# KiCad board d20_tri_r0.3_4x1.kicad_pcb (continued)
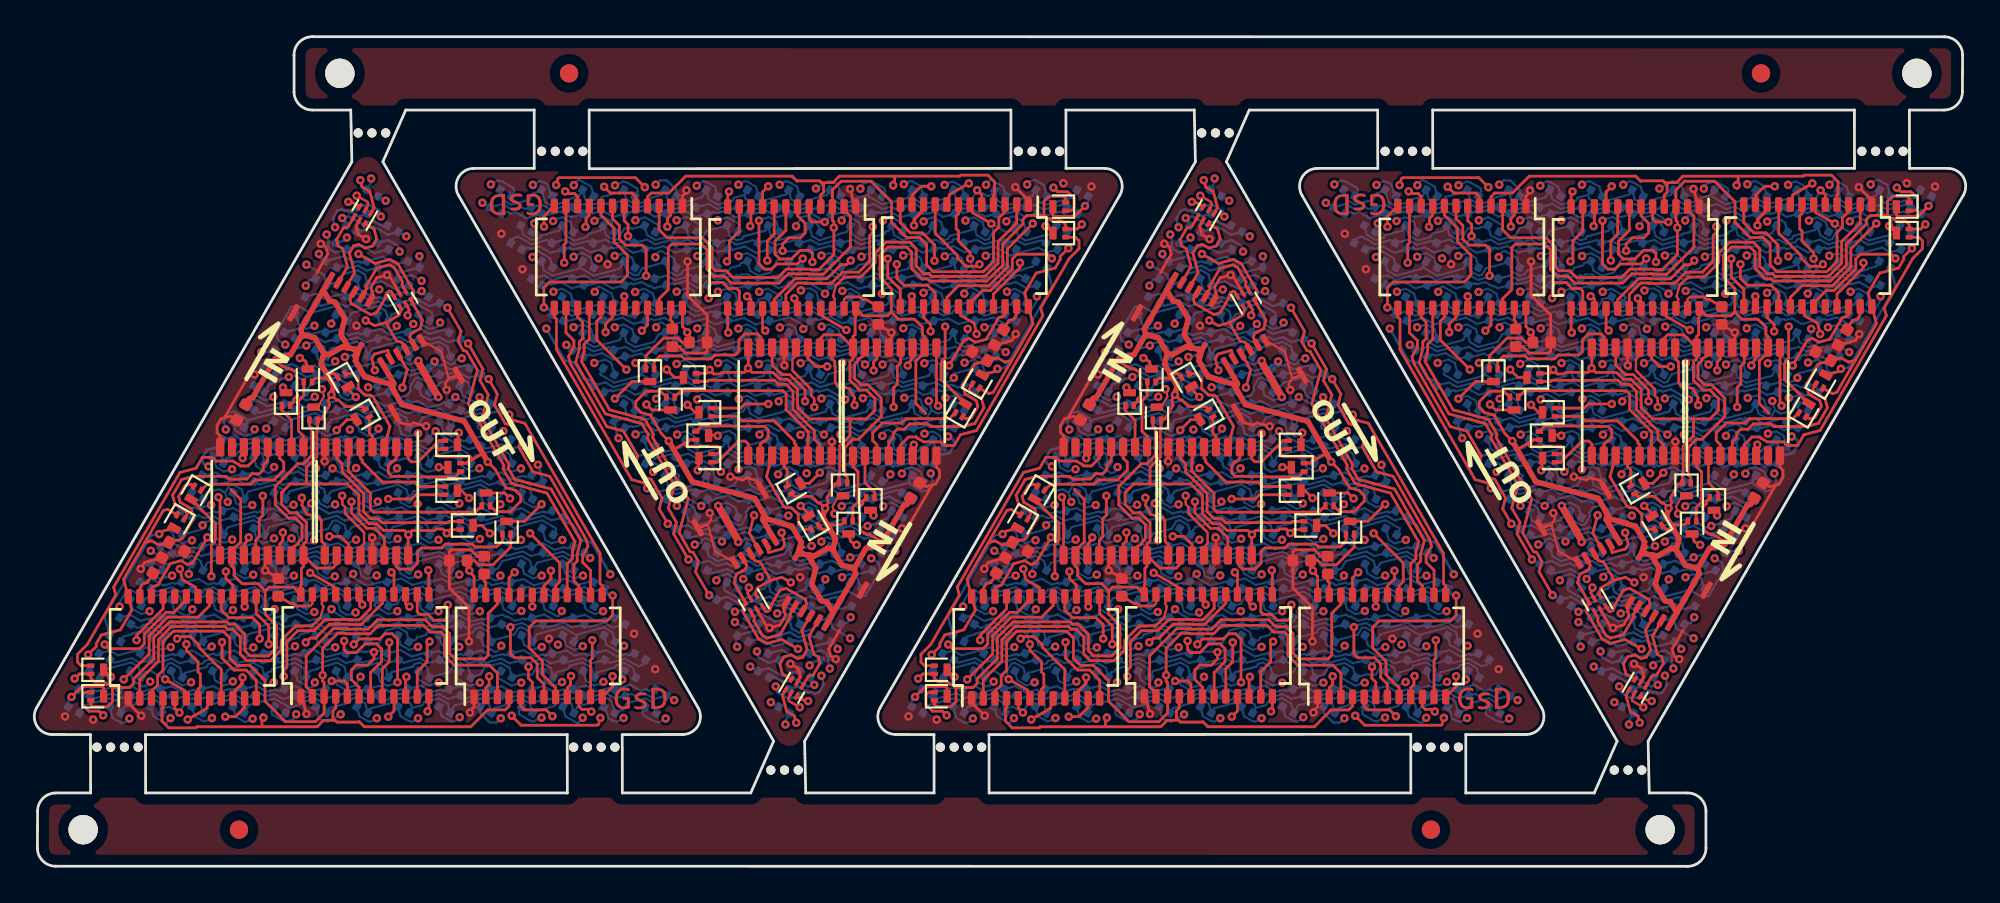
[diagram p0: board, top side]
## Routing (per net, layer and track width the routed paths; a pad name or vN(x,y) marks a point on that pad's centre or on a via; arc(x,y) is an arc through that point) (continued)
dat_i: length 17.2
  Top w0.15: U6#2.1 17.12,34.89 16.85,34.81 16.48,34.18 16.57,33.83 16.82,33.69 17.08,32.71 J1#2.2 ; U6#3.1 63.12,34.89 62.85,34.81 62.48,34.18 62.57,33.83 62.82,33.69 63.08,32.71 J1#3.2 ; U6#4.1 88.21,10.37 88.48,10.44 88.85,11.08 88.76,11.42 88.51,11.56 88.25,12.54 J1#4.2 ; J1.2 42.25,12.54 42.51,11.56 42.76,11.42 42.85,11.08 42.48,10.44 42.21,10.37 U6.1
dat_out: length 79.8
  Top w0.15: 10.03,20.1 10.13,20.01 U5#2.9 ; v1(18.57,27.06) 18.4,27.68 18.55,27.94 19.28,28.14 19.29,28.13 J2#2.2 ; 95.3,25.15 95.2,25.25 U5#4.9 ; v1(86.76,18.2) 86.93,17.57 86.78,17.31 86.05,17.12 86.04,17.12 J2#4.2 ; 56.03,20.1 56.13,20.01 U5#3.9 ; v1(64.57,27.06) 64.4,27.68 64.55,27.94 65.28,28.14 65.29,28.13 J2#3.2 ; U5.9 49.2,25.25 49.3,25.15 ; J2.2 40.04,17.12 40.05,17.12 40.78,17.31 40.93,17.57 v1(40.76,18.2)
  In2.Cu w0.15: 10.03,20.09 10.15,19.63 10.52,19.42 10.8,19.5 11.22,20.23 11.56,20.32 12.36,21.11 13.61,21.11 15.41,22.91 16.1,23.32 16.93,23.09 17.76,23.57 17.84,23.85 16.87,25.52 17.61,26.8 v1(18.57,27.06) ; 95.3,25.17 95.18,25.62 94.82,25.83 94.53,25.75 94.11,25.03 93.77,24.94 92.98,24.14 91.73,24.14 89.93,22.34 89.23,21.94 88.4,22.16 87.57,21.68 87.49,21.41 88.46,19.74 87.72,18.46 v1(86.76,18.2) ; 56.03,20.09 56.15,19.63 56.52,19.42 56.8,19.5 57.22,20.23 57.56,20.32 58.36,21.11 59.61,21.11 61.41,22.91 62.1,23.32 62.93,23.09 63.76,23.57 63.84,23.85 62.87,25.52 63.61,26.8 v1(64.57,27.06) ; v1(40.76,18.2) 41.72,18.46 42.46,19.74 41.49,21.41 41.57,21.68 42.4,22.16 43.23,21.94 43.93,22.34 45.73,24.14 46.98,24.14 47.77,24.94 48.11,25.03 48.53,25.75 48.82,25.83 49.18,25.62 49.3,25.17
  vias: v1(10.04,20.14) v1(49.29,25.12) v1(56.04,20.14) v1(95.29,25.12)
latch: length 273.8
  Top w0.127: U4#2.12 17.79,17.41 17.99,17.6 17.99,18.21 17.91,18.28 ; v1(16.79,20.21) 16.79,19.88 16.8,19.88 16.8,19.74 16.95,19.59 16.95,19.24 ; U4#4.12 63.79,17.41 63.99,17.6 63.99,18.21 63.91,18.28 ; v1(62.79,20.21) 62.79,19.88 62.8,19.88 62.8,19.74 62.95,19.59 62.95,19.24 ; U4#3.12 87.54,27.84 87.35,27.65 87.35,27.04 87.42,26.97 ; v1(88.54,25.05) 88.54,25.37 88.53,25.38 88.53,25.52 88.38,25.67 88.38,26.01 ; 42.38,26.01 42.38,25.67 42.53,25.52 42.53,25.38 42.54,25.37 v1(42.54,25.05) ; U4.12 41.54,27.84 41.35,27.65 41.35,27.04 41.42,26.97
  Top w0.15: v1(46.87,25.05) 46.87,26.11 47.07,26.31 47.07,27.28 47.25,27.47 U5.12 ; 46.92,37.64 50.46,37.64 50.52,37.7 52,37.7 52.37,37.34 52.37,36.65 52.31,36.59 U3.4 ; 46.92,37.64 46.92,37.34 46.87,37.29 46.87,36.96 ; 46.92,37.64 43.9,37.64 43.55,37.29 42.92,37.29 ; 42.92,37.29 43.04,37.17 43.04,36.77 42.89,36.61 U2.4 ; 42.92,37.29 42.83,37.39 41.62,37.39 41.6,37.37 41.33,37.64 35.53,37.64 34.61,36.72 33.65,36.72 33.44,36.52 U1.4 ; U1#2.4 25.89,8.74 25.68,8.53 24.73,8.53 23.81,7.61 18,7.61 17.73,7.89 17.71,7.87 16.5,7.87 16.41,7.97 ; U2#2.4 16.44,8.64 16.29,8.49 16.29,8.09 16.41,7.97 ; 16.41,7.97 15.78,7.97 15.43,7.61 12.42,7.61 ; 12.47,8.29 12.47,7.97 12.42,7.92 12.42,7.61 ; 12.42,7.61 8.87,7.61 8.81,7.55 7.33,7.55 6.96,7.92 6.96,8.6 7.02,8.66 U3#2.4 ; v1(12.46,20.21) 12.46,19.14 12.27,18.94 12.27,17.97 12.08,17.79 U5#2.12 ; 17.91,18.28 16.95,19.24 ; 19.17,29.65 19.91,30.07 20,30.42 U7#2.4 ; 19.17,29.65 19.75,28.66 20.05,28.58 J2#2.4 ; 19.17,29.65 18.56,29.49 v1(18.07,29.77) ; 58.42,7.61 54.87,7.61 54.81,7.55 53.33,7.55 52.96,7.92 52.96,8.6 53.02,8.66 U3#4.4 ; 58.42,7.61 61.43,7.61 61.78,7.97 62.41,7.97 ; 58.42,7.61 58.42,7.92 58.47,7.97 58.47,8.29 ; v1(58.46,20.21) 58.46,19.14 58.27,18.94 58.27,17.97 58.08,17.79 U5#3.12 ; 63.91,18.28 62.95,19.24 ; 65.17,29.65 65.91,30.07 66,30.42 U7#4.4 ; 65.17,29.65 65.75,28.66 66.05,28.58 J2#3.4 ; 65.17,29.65 64.56,29.49 v1(64.07,29.77) ; U1#3.4 71.89,8.74 71.68,8.53 70.73,8.53 69.81,7.61 64,7.61 63.73,7.89 63.71,7.87 62.5,7.87 62.41,7.97 ; U2#3.4 62.44,8.64 62.29,8.49 62.29,8.09 62.41,7.97 ; U1#4.4 79.44,36.52 79.65,36.72 80.61,36.72 81.53,37.64 87.33,37.64 87.6,37.37 87.62,37.39 88.83,37.39 88.92,37.29 ; U2#4.4 88.89,36.61 89.04,36.77 89.04,37.17 88.92,37.29 ; 88.92,37.29 89.55,37.29 89.9,37.64 92.92,37.64 ; 92.87,36.96 92.87,37.29 92.92,37.34 92.92,37.64 ; 92.92,37.64 96.46,37.64 96.52,37.7 98,37.7 98.37,37.34 98.37,36.65 98.31,36.59 U3#3.4 ; v1(92.87,25.05) 92.87,26.11 93.07,26.31 93.07,27.28 93.25,27.47 U5#4.12 ; 87.42,26.97 88.38,26.01 ; 86.16,15.6 85.43,15.18 85.33,14.84 U7#3.4 ; 86.16,15.6 85.58,16.6 85.28,16.68 J2#4.4 ; 86.16,15.6 86.77,15.77 v1(87.26,15.49) ; 40.16,15.6 39.58,16.6 39.28,16.68 J2.4 ; 40.16,15.6 39.43,15.18 39.33,14.84 U7.4 ; 40.16,15.6 40.77,15.77 v1(41.26,15.49) ; 41.42,26.97 42.38,26.01
  In2.Cu w0.15: 12.47,8.29 12.47,10.31 13.41,11.26 13.56,11.82 10.33,17.42 10.31,17.43 10.14,18.08 10.5,18.71 11.21,18.9 11.28,19.02 11.6,19.21 12.25,19.38 12.55,19.89 v1(12.46,20.21) 12.69,19.98 12.93,19.98 13.01,20.06 14.65,21 14.65,21 16.45,21 16.79,20.66 v1(16.79,20.21) 16.79,19.88 16.91,19.77 16.91,19.65 17.12,19.44 17.83,19.44 18.16,19.76 18.16,22.16 19.29,23.3 19.29,25.13 19.51,25.34 19.51,25.76 19.39,25.97 19.39,25.97 19.33,26.07 19.44,26.44 19.13,27.58 18.3,29.01 18.23,29.03 17.99,29.46 v1(18.07,29.77) ; 58.47,8.29 58.47,10.31 59.41,11.26 59.56,11.82 56.33,17.42 56.31,17.43 56.14,18.08 56.5,18.71 57.21,18.9 57.28,19.02 57.6,19.21 58.25,19.38 58.55,19.89 v1(58.46,20.21) 58.69,19.98 58.93,19.98 59.01,20.06 60.65,21 60.65,21 62.45,21 62.79,20.66 v1(62.79,20.21) 62.79,19.88 62.91,19.77 62.91,19.65 63.12,19.44 63.83,19.44 64.16,19.76 64.16,22.16 65.29,23.3 65.29,25.13 65.51,25.34 65.51,25.76 65.39,25.97 65.39,25.97 65.33,26.07 65.44,26.44 65.13,27.58 64.3,29.01 64.23,29.03 63.99,29.46 v1(64.07,29.77) ; 92.87,36.96 92.86,34.94 91.92,34 91.77,33.43 95,27.84 95.02,27.83 95.19,27.17 94.83,26.55 94.12,26.36 94.05,26.23 93.73,26.05 93.08,25.87 92.78,25.36 v1(92.87,25.05) 92.64,25.28 92.4,25.28 92.32,25.2 90.68,24.25 90.68,24.25 88.89,24.25 88.54,24.6 v1(88.54,25.05) 88.54,25.37 88.42,25.48 88.42,25.6 88.21,25.82 87.5,25.82 87.18,25.49 87.18,23.09 86.04,21.96 86.04,20.13 85.82,19.91 85.82,19.49 85.94,19.29 85.94,19.28 86,19.19 85.9,18.81 86.2,17.67 87.03,16.24 87.1,16.22 87.34,15.8 v1(87.26,15.49) ; 46.87,36.96 46.86,34.94 45.92,34 45.77,33.43 49,27.84 49.02,27.83 49.19,27.17 48.83,26.55 48.12,26.36 48.05,26.23 47.73,26.05 47.08,25.87 46.78,25.36 v1(46.87,25.05) 46.64,25.28 46.4,25.28 46.32,25.2 44.68,24.25 44.68,24.25 42.89,24.25 42.54,24.6 v1(42.54,25.05) 42.54,25.37 42.42,25.48 42.42,25.6 42.21,25.82 41.5,25.82 41.18,25.49 41.18,23.09 40.04,21.96 40.04,20.13 39.82,19.91 39.82,19.49 39.94,19.29 39.94,19.28 40,19.19 39.9,18.81 40.2,17.67 41.03,16.24 41.1,16.22 41.34,15.8 v1(41.26,15.49)
  vias: v1(12.49,8.11) v1(46.84,37.15) v1(58.49,8.11) v1(92.84,37.15)
latch_i: length 16.4
  Top w0.15: J1#2.4 17.21,30.94 17.27,30.7 18.33,30.09 18.67,30.19 19.15,31.03 19.22,31.28 19.37,31.37 19.46,31.35 U7#2.3 ; J1#3.4 63.21,30.94 63.27,30.7 64.33,30.09 64.67,30.19 65.15,31.03 65.22,31.28 65.37,31.37 65.46,31.35 U7#4.3 ; J1#4.4 88.12,14.32 88.06,14.55 87,15.16 86.66,15.07 86.18,14.23 86.11,13.97 85.96,13.89 85.87,13.91 U7#3.3 ; J1.4 42.12,14.32 42.06,14.55 41,15.16 40.66,15.07 40.18,14.23 40.11,13.97 39.96,13.89 39.87,13.91 U7.3
row_0: length 243
  Top w0.15: v1(27.67,19.75) 26.73,18.81 Q1#2.3 ; v1(77.66,25.51) 78.6,26.44 Q1#4.3 ; v1(73.67,19.75) 72.73,18.81 Q1#3.3 ; v1(31.66,25.51) 32.6,26.44 Q1.3
  In1.Cu w0.3: v1(34.43,8.06) 32.43,11.53 32.43,11.56 32.16,12.03 32.09,12.05 31.01,13.93 31.01,13.96 v1(29.92,15.85) 29.92,15.85 v1(28.79,17.8) 28.79,17.8 v1(27.67,19.75) 27.66,19.75 v1(26.54,21.7) 26.61,21.96 v1(25.58,23.74) 25.31,23.81 v1(24.29,25.59) 24.36,25.88 v1(23.31,27.7) 23.25,27.72 v1(22.13,29.66) 21.48,30.78 21.67,31.46 21.44,31.85 v1(21.12,31.93) 20.79,32.02 v1(19.92,33.53) 19.54,34.19 19.57,34.29 v1(18.9,35.44) ; v1(70.9,37.19) 72.9,33.72 72.9,33.7 73.17,33.23 73.24,33.21 74.32,31.32 74.32,31.29 v1(75.41,29.4) 75.41,29.4 v1(76.54,27.45) 76.54,27.45 v1(77.66,25.51) 77.67,25.51 v1(78.79,23.56) 78.72,23.3 v1(79.75,21.52) 80.02,21.45 v1(81.04,19.66) 80.97,19.37 v1(82.02,17.55) 82.08,17.53 v1(83.2,15.6) 83.85,14.48 83.67,13.8 83.89,13.4 v1(84.21,13.32) 84.54,13.23 v1(85.41,11.73) 85.79,11.07 85.76,10.97 v1(86.43,9.81) ; v1(80.43,8.06) 78.43,11.53 78.43,11.56 78.16,12.03 78.09,12.05 77.01,13.93 77.01,13.96 v1(75.92,15.85) 75.92,15.85 v1(74.79,17.8) 74.79,17.8 v1(73.67,19.75) 73.66,19.75 v1(72.54,21.7) 72.61,21.96 v1(71.58,23.74) 71.31,23.81 v1(70.29,25.59) 70.36,25.88 v1(69.31,27.7) 69.25,27.72 v1(68.13,29.66) 67.48,30.78 67.67,31.46 67.44,31.85 v1(67.12,31.93) 66.79,32.02 v1(65.92,33.53) 65.54,34.19 65.57,34.29 v1(64.9,35.44) ; v1(40.43,9.81) 39.76,10.97 39.79,11.07 v1(39.41,11.73) 38.54,13.23 v1(38.21,13.32) 37.89,13.4 37.67,13.8 37.85,14.48 v1(37.2,15.6) 36.08,17.53 v1(36.02,17.55) 34.97,19.37 v1(35.04,19.66) 34.02,21.45 v1(33.75,21.52) 32.72,23.3 v1(32.79,23.56) 31.67,25.51 v1(31.66,25.51) 30.54,27.45 v1(30.54,27.45) 29.41,29.4 v1(29.41,29.4) 28.32,31.29 28.32,31.32 27.24,33.21 27.17,33.23 26.9,33.7 26.9,33.72 v1(24.9,37.19)
  In2.Cu w0.3: v1(32.07,10.19) 32.43,11.56 32.16,12.03 ; v1(73.26,35.07) 72.9,33.7 73.17,33.23 ; v1(78.07,10.19) 78.43,11.56 78.16,12.03 ; 27.17,33.23 26.9,33.7 v1(27.26,35.07)
  Bottom w0.114: v1(31.66,25.51) 31.68,25.54 32.15,25.66 32.62,25.4 D7.1 ; v1(35.04,19.66) 35.17,19.88 35.35,19.93 35.99,19.56 D10.1 ; v1(33.75,21.52) 34.06,21.6 34.12,21.7 34.4,21.77 35.15,21.34 35.17,21.26 D9.1 ; D5.1 30.37,29.3 29.92,29.56 29.74,29.51 29.72,29.49 v1(29.41,29.4) ; D1.1 26.18,36.83 26.13,37 25.55,37.34 25.28,37.41 v1(24.9,37.19) ; v1(32.79,23.56) 32.81,23.59 33.33,23.73 33.73,23.5 D8.1 ; D6.1 31.47,27.45 31.14,27.64 30.55,27.48 v1(30.54,27.45) ; 28.32,31.32 28.36,31.39 28.78,31.5 29.25,31.23 D4.1 ; 27.17,33.23 27.33,33.51 27.48,33.55 28.12,33.18 D3.1 ; D2.1 27.31,34.9 v1(27.26,35.07) ; v1(32.07,10.19) 32.02,10.36 D2#2.1 ; D3#2.1 31.21,12.08 31.85,11.71 32,11.75 32.16,12.03 ; D4#2.1 30.08,14.02 30.55,13.75 30.97,13.87 31.01,13.93 ; D1#2.1 33.15,8.43 33.2,8.25 33.78,7.92 34.05,7.85 v1(34.43,8.06) ; D5#2.1 28.96,15.95 29.41,15.7 29.59,15.74 29.61,15.77 v1(29.92,15.85) ; v1(28.79,17.8) 28.78,17.77 28.19,17.61 27.87,17.8 D6#2.1 ; v1(27.67,19.75) 27.65,19.72 27.18,19.59 26.71,19.86 D7#2.1 ; v1(26.54,21.7) 26.52,21.66 26,21.52 25.6,21.75 D8#2.1 ; v1(25.58,23.74) 25.27,23.65 25.21,23.56 24.93,23.48 24.18,23.91 24.16,23.99 D9#2.1 ; D10#2.1 23.34,25.7 23.98,25.33 24.16,25.37 v1(24.29,25.59) ; v1(73.26,35.07) 73.31,34.9 D2#4.1 ; D3#4.1 74.12,33.18 73.48,33.55 73.33,33.51 73.17,33.23 ; D4#3.1 75.25,31.23 74.78,31.5 74.36,31.39 74.32,31.32 ; D1#4.1 72.18,36.83 72.13,37 71.55,37.34 71.28,37.41 v1(70.9,37.19) ; D5#3.1 76.37,29.3 75.92,29.56 75.74,29.51 75.72,29.49 v1(75.41,29.4) ; v1(76.54,27.45) 76.55,27.48 77.14,27.64 77.47,27.45 D6#4.1 ; v1(77.66,25.51) 77.68,25.54 78.15,25.66 78.62,25.4 D7#4.1 ; v1(78.79,23.56) 78.81,23.59 79.33,23.73 79.73,23.5 D8#4.1 ; v1(79.75,21.52) 80.06,21.6 80.12,21.7 80.4,21.77 81.15,21.34 81.17,21.26 D9#3.1 ; D10#3.1 81.99,19.56 81.35,19.93 81.17,19.88 v1(81.04,19.66) ; D1#3.1 79.15,8.43 79.2,8.25 79.78,7.92 80.05,7.85 v1(80.43,8.06) ; 78.16,12.03 78,11.75 77.85,11.71 77.21,12.08 D3#3.1 ; D9#4.1 70.16,23.99 70.18,23.91 70.93,23.48 71.21,23.56 71.27,23.65 v1(71.58,23.74) ; v1(74.79,17.8) 74.78,17.77 74.19,17.61 73.87,17.8 D6#3.1 ; D10#4.1 69.34,25.7 69.98,25.33 70.16,25.37 v1(70.29,25.59) ; v1(75.92,15.85) 75.61,15.77 75.59,15.74 75.41,15.7 74.96,15.95 D5#4.1 ; v1(72.54,21.7) 72.52,21.66 72,21.52 71.6,21.75 D8#3.1 ; D7#3.1 72.71,19.86 73.18,19.59 73.65,19.72 v1(73.67,19.75) ; v1(78.07,10.19) 78.02,10.36 D2#3.1 ; D4#4.1 76.08,14.02 76.55,13.75 76.97,13.87 77.01,13.93
  Bottom w0.127: v1(40.43,9.81) 40.52,9.5 41.13,9.15 D15.1 ; v1(36.02,17.55) 36.33,17.64 36.45,17.84 36.65,17.89 37.11,17.62 D11.1 ; v1(39.41,11.73) 39.49,11.41 40.03,11.1 D14.1 ; v1(37.2,15.6) 37.33,15.83 37.79,15.95 38.23,15.7 D12.1 ; v1(23.31,27.7) 23,27.62 22.88,27.42 22.68,27.37 22.22,27.63 D11#2.1 ; D12#2.1 21.1,29.56 21.54,29.31 22,29.43 v1(22.13,29.66) ; v1(19.92,33.53) 19.84,33.84 19.3,34.16 D14#2.1 ; D15#2.1 18.2,36.11 18.81,35.76 v1(18.9,35.44) ; D13#2.1 20.57,32.25 v1(21.12,31.93) ; D13#4.1 66.57,32.25 v1(67.12,31.93) ; v1(82.02,17.55) 82.33,17.64 82.45,17.84 82.65,17.89 83.11,17.62 D11#4.1 ; D12#3.1 84.23,15.7 83.79,15.95 83.33,15.83 v1(83.2,15.6) ; v1(85.41,11.73) 85.49,11.41 86.03,11.1 D14#3.1 ; D15#4.1 87.13,9.15 86.52,9.5 v1(86.43,9.81) ; D13#3.1 84.76,13 v1(84.21,13.32) ; v1(68.13,29.66) 68,29.43 67.54,29.31 67.1,29.56 D12#4.1 ; D11#3.1 68.22,27.63 68.68,27.37 68.88,27.42 69,27.62 v1(69.31,27.7) ; v1(65.92,33.53) 65.84,33.84 65.3,34.16 D14#4.1 ; D15#3.1 64.2,36.11 64.81,35.76 v1(64.9,35.44) ; D13.1 38.76,13 v1(38.21,13.32)
  vias: v1(27.17,33.23) v1(28.31,31.34) v1(31.02,13.92) v1(32.16,12.02) v1(73.17,33.23) v1(74.31,31.34) v1(77.02,13.92) v1(78.16,12.02)
row_1: length 215.4
  Top w0.15: 36.22,21.58 36.22,22.24 Q2.3 ; Q2#2.3 23.11,23.02 23.11,23.68 ; Q2#4.3 82.22,22.24 82.22,21.58 ; 69.11,23.68 69.11,23.02 Q2#3.3
  Top w0.4: v1(20.95,27.57) 20.93,27.51 v1(22.04,25.59) ; v1(84.38,17.69) 84.4,17.75 v1(83.3,19.66) ; v1(66.95,27.57) 66.93,27.51 v1(68.04,25.59) ; v1(38.38,17.69) 38.4,17.75 v1(37.3,19.66)
  In1.Cu w0.4: v1(19.76,29.47) 19.27,29.76 v1(18.82,31.46) 17.34,32.31 16.89,34.01 v1(17.05,34.29) ; v1(85.57,15.78) 86.06,15.5 v1(86.51,13.79) 87.99,12.94 88.44,11.24 v1(88.28,10.96) ; v1(63.05,34.29) 62.89,34.01 63.34,32.31 v1(64.82,31.46) 65.27,29.76 v1(65.76,29.47) ; v1(39.57,15.78) 40.06,15.5 v1(40.51,13.79) 41.99,12.94 42.44,11.24 v1(42.28,10.96)
  In1.Cu w0.5: 37.35,19.63 28.36,35.2 27.23,37.14 ; 32.1,8.11 21.98,25.62 ; 78.1,8.11 67.98,25.62 ; 73.23,37.14 83.35,19.63
  In2.Cu w0.4: v1(20.95,27.57) 20.85,27.6 v1(19.76,29.47) ; v1(84.38,17.69) 84.48,17.66 v1(85.57,15.78) ; v1(66.95,27.57) 66.85,27.6 v1(65.76,29.47) ; v1(39.57,15.78) 38.48,17.66 v1(38.38,17.69)
  Bottom w0.114: D23.1 34.87,25.39 34.21,25.77 34.04,25.73 v1(33.91,25.5) ; D25.1 37.17,21.03 37.03,21.55 36.59,21.8 36.24,21.71 v1(36.18,21.6) ; D21.1 32.62,29.29 32.15,29.56 31.67,29.43 v1(31.66,29.4) ; D22.1 33.74,27.34 33.28,27.61 32.8,27.48 v1(32.79,27.45) ; v1(35.06,23.55) 35.09,23.6 35.52,23.72 35.99,23.45 D24.1 ; 30.57,31.32 30.74,31.6 30.81,31.62 31.5,31.23 D20.1 ; D17.1 28.18,36.6 28.02,37.18 27.81,37.3 27.55,37.37 v1(27.19,37.16) ; 29.43,33.25 29.48,33.33 29.9,33.45 30.34,33.19 30.41,32.92 30.45,32.9 D19.1 ; D18.1 29.24,35.15 28.81,35.4 28.41,35.29 28.36,35.2 ; 30.97,10.06 30.92,9.96 30.52,9.86 30.09,10.11 D18#2.1 ; D19#2.1 28.88,12.36 28.92,12.34 28.99,12.06 28.99,12.06 29.43,11.81 29.85,11.92 29.9,12.01 ; D17#2.1 31.15,8.66 31.31,8.08 31.52,7.96 31.78,7.88 v1(32.14,8.09) ; D20#2.1 27.84,14.02 28.52,13.63 28.59,13.65 28.76,13.93 ; D21#2.1 26.71,15.97 27.18,15.7 27.66,15.83 v1(27.67,15.86) ; D22#2.1 25.59,17.91 26.05,17.65 26.53,17.77 v1(26.54,17.8) ; D24#2.1 23.34,21.81 23.81,21.54 24.24,21.65 v1(24.27,21.71) ; v1(23.15,23.65) 23.09,23.54 22.74,23.45 22.3,23.7 22.16,24.22 D25#2.1 ; D23#2.1 24.46,19.86 25.12,19.48 25.29,19.53 v1(25.42,19.75) ; 74.36,35.2 74.41,35.29 74.81,35.4 75.24,35.15 D18#4.1 ; D19#3.1 76.45,32.9 76.41,32.92 76.34,33.19 75.9,33.45 75.48,33.33 75.43,33.25 ; D17#4.1 74.18,36.6 74.02,37.18 73.81,37.3 73.55,37.37 v1(73.19,37.16) ; D20#3.1 77.5,31.23 76.81,31.62 76.74,31.6 76.57,31.32 ; D21#3.1 78.62,29.29 78.15,29.56 77.67,29.43 v1(77.66,29.4) ; D22#4.1 79.74,27.34 79.28,27.61 78.8,27.48 v1(78.79,27.45) ; D24#4.1 81.99,23.45 81.52,23.72 81.09,23.6 v1(81.06,23.55) ; v1(82.18,21.6) 82.24,21.71 82.59,21.8 83.03,21.55 83.17,21.03 D25#4.1 ; D23#4.1 80.87,25.39 80.21,25.77 80.04,25.73 v1(79.91,25.5) ; v1(72.54,17.8) 72.53,17.77 72.05,17.65 71.59,17.91 D22#3.1 ; D24#3.1 69.34,21.81 69.81,21.54 70.24,21.65 v1(70.27,21.71) ; v1(73.67,15.86) 73.66,15.83 73.18,15.7 72.71,15.97 D21#4.1 ; v1(78.14,8.09) 77.78,7.88 77.52,7.96 77.31,8.08 77.15,8.66 D17#3.1 ; D25#3.1 68.16,24.22 68.3,23.7 68.74,23.45 69.09,23.54 v1(69.15,23.65) ; 76.97,10.06 76.92,9.96 76.52,9.86 76.09,10.11 D18#3.1 ; D23#3.1 70.46,19.86 71.12,19.48 71.29,19.53 v1(71.42,19.75) ; 75.9,12.01 75.85,11.92 75.43,11.81 74.99,12.06 74.99,12.06 74.92,12.34 74.88,12.36 D19#4.1 ; D20#4.1 73.84,14.02 74.52,13.63 74.59,13.65 74.76,13.93
  Bottom w0.127: v1(39.57,15.78) 39.68,15.98 39.87,16.03 40.48,15.68 D28.1 ; D27.1 39.36,17.62 38.9,17.89 38.7,17.84 38.65,17.74 38.4,17.68 v1(38.38,17.69) ; v1(37.3,19.66) 37.33,19.71 37.77,19.83 38.24,19.57 D26.1 ; D26#2.1 21.1,25.69 21.56,25.42 22.01,25.54 v1(22.04,25.59) ; D27#2.1 19.97,27.63 20.43,27.37 20.63,27.42 20.69,27.51 20.93,27.58 v1(20.95,27.57) ; v1(19.76,29.47) 19.65,29.27 19.46,29.22 18.85,29.58 D28#2.1 ; D30#2.1 16.96,34.13 v1(17.05,34.29) ; D29#2.1 17.75,31.44 18.24,31.16 18.4,31.2 18.5,31.38 v1(18.82,31.46) ; D26#4.1 84.24,19.57 83.77,19.83 83.33,19.71 v1(83.3,19.66) ; D27#4.1 85.36,17.62 84.9,17.89 84.7,17.84 84.65,17.74 84.4,17.68 v1(84.38,17.69) ; v1(85.57,15.78) 85.68,15.98 85.87,16.03 86.48,15.68 D28#4.1 ; D30#3.1 88.37,11.12 v1(88.28,10.96) ; D27#3.1 65.97,27.63 66.43,27.37 66.63,27.42 66.69,27.51 66.93,27.58 v1(66.95,27.57) ; D29#3.1 87.58,13.81 87.09,14.1 86.93,14.06 86.83,13.88 v1(86.51,13.79) ; v1(64.82,31.46) 64.5,31.38 64.4,31.2 64.24,31.16 63.75,31.44 D29#4.1 ; v1(63.05,34.29) 62.96,34.13 D30#4.1 ; D26#3.1 67.1,25.69 67.56,25.42 68.01,25.54 v1(68.04,25.59) ; v1(65.76,29.47) 65.65,29.27 65.46,29.22 64.85,29.58 D28#3.1 ; v1(42.28,10.96) 42.37,11.12 D30.1 ; v1(40.51,13.79) 40.83,13.88 40.93,14.06 41.09,14.1 41.58,13.81 D29.1
  vias: v1(28.29,35.2) v1(28.77,13.92) v1(29.42,33.25) v1(29.91,12.01) v1(30.56,31.33) v1(31.04,10.06) v1(74.29,35.2) v1(74.77,13.92) v1(75.42,33.25) v1(75.91,12.01) v1(76.56,31.33) v1(77.04,10.06)
row_2: length 205.7
  Top w0.15: 37.35,23.52 36.81,23.52 Q3.3 ; Q3#2.3 22.52,21.73 21.98,21.73 ; Q3#4.3 82.81,23.52 83.35,23.52 ; Q3#3.3 68.52,21.73 67.98,21.73
  In1.Cu w0.25: v1(20.93,23.61) 22.03,21.71 22.03,21.71 23.15,19.76 ; v1(84.4,21.65) 83.3,23.54 83.3,23.55 82.18,25.49 82.18,25.49 ; 69.15,19.76 68.03,21.71 68.03,21.71 v1(66.93,23.61) ; v1(38.4,21.65) 37.3,23.54 37.3,23.55 36.18,25.49 36.18,25.49
  In1.Cu w0.3: 28.74,10.11 28.73,10.06 ; 76.59,35.14 76.6,35.19 ; 74.74,10.11 74.73,10.06 ; 30.59,35.14 30.6,35.19
  In1.Cu w0.4: 42.37,17.48 v1(42.39,17.47) ; v1(42.39,17.47) 41.42,18.03 v1(41.12,19.13) 40.4,19.55 40.1,20.66 v1(38.4,21.65) 37.35,23.46 v1(37.27,23.49) 37.28,23.51 v1(36.15,25.46) v1(35.03,27.4) 33.9,29.36 v1(33.91,29.4) 32.8,31.32 v1(32.77,31.33) ; v1(42.39,17.47) 42.29,17.12 v1(43.14,15.65) 44.29,13.65 v1(44.52,13.59) ; 16.96,27.78 v1(16.94,27.78) ; v1(16.94,27.78) 17.04,28.14 v1(16.19,29.6) 15.04,31.6 v1(14.81,31.67) ; v1(16.94,27.78) 17.91,27.22 v1(18.21,26.13) 18.93,25.71 19.23,24.59 v1(20.93,23.61) 21.98,21.79 v1(22.06,21.77) 22.05,21.74 v1(23.18,19.79) v1(24.3,17.85) 25.43,15.89 v1(25.42,15.86) 26.53,13.94 v1(26.56,13.93) ; v1(27.68,11.96) 28.78,10.05 v1(28.78,10.05) v1(29.91,8.1) ; 88.37,17.48 v1(88.39,17.47) ; v1(88.39,17.47) 88.29,17.12 v1(89.14,15.65) 90.29,13.65 v1(90.52,13.59) ; v1(88.39,17.47) 87.42,18.03 v1(87.12,19.13) 86.4,19.55 86.1,20.66 v1(84.4,21.65) 83.35,23.46 v1(83.27,23.49) 83.28,23.51 v1(82.15,25.46) v1(81.03,27.4) 79.9,29.36 v1(79.91,29.4) 78.8,31.32 v1(78.77,31.33) ; v1(77.65,33.29) 76.55,35.2 v1(76.55,35.21) v1(75.43,37.15) ; v1(72.56,13.93) 72.53,13.94 v1(71.42,15.86) 71.43,15.89 v1(70.3,17.85) v1(69.18,19.79) 68.05,21.74 v1(68.06,21.77) 67.98,21.79 v1(66.93,23.61) 65.23,24.59 64.93,25.71 v1(64.21,26.13) 63.91,27.22 v1(62.94,27.78) ; v1(73.68,11.96) 74.78,10.05 v1(74.78,10.05) v1(75.91,8.1) ; v1(62.94,27.78) 63.04,28.14 v1(62.19,29.6) 61.04,31.6 v1(60.81,31.67) ; v1(62.94,27.78) 62.96,27.78 ; v1(29.43,37.15) v1(30.55,35.21) 30.55,35.2 v1(31.65,33.29)
  In2.Cu w0.25: v1(27.68,11.96) 27.68,11.99 v1(26.56,13.93) ; v1(77.65,33.29) 77.65,33.27 v1(78.77,31.33) ; v1(73.68,11.96) 73.68,11.99 v1(72.56,13.93) ; v1(31.65,33.29) 31.65,33.27 v1(32.77,31.33)
  Bottom w0.114: 35.04,27.45 35.06,27.48 35.52,27.61 35.99,27.34 D38.1 ; D39.1 37.11,25.39 36.49,25.75 36.3,25.7 36.18,25.49 ; 37.3,23.55 37.33,23.6 37.88,23.75 38.21,23.56 D40.1 ; D36.1 33.74,31.23 33.28,31.5 32.79,31.37 v1(32.77,31.33) ; v1(31.65,33.29) 31.97,33.38 31.98,33.4 32.15,33.45 32.62,33.18 D35.1 ; D34.1 31.48,35.18 31.09,35.41 30.66,35.29 30.6,35.19 ; D33.1 30.37,37.07 29.72,37.44 29.64,37.42 29.48,37.14 ; v1(33.91,29.4) 34.03,29.61 34.21,29.66 34.87,29.29 D37.1 ; 29.85,8.11 29.69,7.83 29.61,7.81 28.96,8.19 D33#2.1 ; 28.73,10.06 28.67,9.96 28.24,9.85 27.85,10.07 D34#2.1 ; D35#2.1 26.71,12.08 27.18,11.81 27.35,11.85 27.36,11.88 v1(27.68,11.96) ; v1(26.56,13.93) 26.54,13.88 26.06,13.75 25.59,14.02 D36#2.1 ; D38#2.1 23.34,17.92 23.81,17.65 24.27,17.77 24.29,17.81 ; 23.15,19.76 23.03,19.55 22.84,19.5 22.22,19.86 D39#2.1 ; D40#2.1 21.12,21.69 21.45,21.51 22,21.65 22.03,21.71 ; v1(25.42,15.86) 25.3,15.64 25.12,15.59 24.46,15.97 D37#2.1 ; v1(72.56,13.93) 72.54,13.88 72.06,13.75 71.59,14.02 D36#4.1 ; 75.48,37.14 75.64,37.42 75.72,37.44 76.37,37.07 D33#4.1 ; 76.6,35.19 76.66,35.29 77.09,35.41 77.48,35.18 D34#3.1 ; D35#4.1 78.62,33.18 78.15,33.45 77.98,33.4 77.97,33.38 v1(77.65,33.29) ; v1(78.77,31.33) 78.79,31.37 79.28,31.5 79.74,31.23 D36#3.1 ; D38#4.1 81.99,27.34 81.52,27.61 81.06,27.48 81.04,27.45 ; 82.18,25.49 82.3,25.7 82.49,25.75 83.11,25.39 D39#3.1 ; D40#4.1 84.21,23.56 83.88,23.75 83.33,23.6 83.3,23.55 ; v1(79.91,29.4) 80.03,29.61 80.21,29.66 80.87,29.29 D37#4.1 ; 68.03,21.71 68,21.65 67.45,21.51 67.12,21.69 D40#3.1 ; 74.73,10.06 74.67,9.96 74.24,9.85 73.85,10.07 D34#4.1 ; v1(71.42,15.86) 71.3,15.64 71.12,15.59 70.46,15.97 D37#3.1 ; 70.29,17.81 70.27,17.77 69.81,17.65 69.34,17.92 D38#3.1 ; D39#4.1 68.22,19.86 68.84,19.5 69.03,19.55 69.15,19.76 ; 75.85,8.11 75.69,7.83 75.61,7.81 74.96,8.19 D33#3.1 ; v1(73.68,11.96) 73.36,11.88 73.35,11.85 73.18,11.81 72.71,12.08 D35#3.1
  Bottom w0.127: v1(42.39,17.47) 41.89,17.34 D43.1 ; v1(38.4,21.65) 38.71,21.73 38.72,21.75 39.02,21.82 39.32,21.65 D41.1 ; v1(43.14,15.65) 43.15,15.62 D44.1 ; v1(20.93,23.61) 20.62,23.53 20.61,23.51 20.31,23.43 20.01,23.61 D41#2.1 ; v1(16.94,27.78) 17.44,27.92 D43#2.1 ; v1(16.19,29.6) 16.18,29.63 D44#2.1 ; D45#2.1 14.98,31.96 v1(14.81,31.67) ; v1(18.21,26.13) 18.26,26.1 D42#2.1 ; v1(84.4,21.65) 84.71,21.73 84.72,21.75 85.02,21.82 85.32,21.65 D41#4.1 ; v1(88.39,17.47) 87.89,17.34 D43#4.1 ; v1(89.14,15.65) 89.15,15.62 D44#4.1 ; D45#4.1 90.35,13.3 v1(90.52,13.59) ; v1(87.12,19.13) 87.07,19.16 D42#4.1 ; D41#3.1 66.01,23.61 66.31,23.43 66.61,23.51 66.62,23.53 v1(66.93,23.61) ; v1(64.21,26.13) 64.26,26.1 D42#3.1 ; v1(62.19,29.6) 62.18,29.63 D44#3.1 ; v1(62.94,27.78) 63.44,27.92 D43#3.1 ; v1(60.81,31.67) 60.98,31.96 D45#3.1 ; v1(44.52,13.59) 44.35,13.3 D45.1 ; D42.1 41.07,19.16 v1(41.12,19.13)
row_3: length 184.6
  Top w0.15: v1(17.54,25.6) 17.11,26.03 Q4#2.3 ; v1(87.8,19.66) 88.23,19.23 Q4#4.3 ; Q4#3.3 63.11,26.03 v1(63.54,25.6) ; Q4.3 42.23,19.23 v1(41.8,19.66)
  In1.Cu w0.25: v1(15.28,29.48) 15.59,29.4 16.33,28.13 16.25,27.83 v1(16.41,27.55) 17.53,25.6 v1(17.54,25.6) 17.7,25.32 17.98,25.24 v1(18.77,23.87) 19.28,22.99 19.2,22.71 v1(19.78,21.71) v1(20.9,19.76) 20.92,19.76 v1(22.04,17.81) 22.09,17.79 v1(23.18,15.91) 23.17,15.87 v1(24.3,13.91) 24.39,13.89 v1(25.46,12.03) ; v1(71.46,12.03) 70.39,13.89 v1(70.3,13.91) 69.17,15.87 v1(69.18,15.91) 68.09,17.79 v1(68.04,17.81) 66.92,19.76 v1(66.9,19.76) v1(65.78,21.71) 65.2,22.71 65.28,22.99 v1(64.77,23.87) 63.98,25.24 63.7,25.32 v1(63.54,25.6) 63.53,25.6 v1(62.41,27.55) 62.25,27.83 62.33,28.13 61.59,29.4 v1(61.28,29.48) ; v1(90.05,15.77) 89.74,15.85 89.01,17.13 89.09,17.43 v1(88.92,17.71) 87.8,19.66 v1(87.8,19.66) 87.63,19.94 87.35,20.01 v1(86.56,21.38) 86.05,22.26 86.13,22.54 v1(85.55,23.55) v1(84.43,25.49) 84.41,25.5 v1(83.29,27.45) 83.24,27.46 v1(82.15,29.34) 82.16,29.38 v1(81.03,31.34) 80.94,31.37 v1(79.87,33.23) ; v1(33.87,33.23) 34.94,31.37 v1(35.03,31.34) 36.16,29.38 v1(36.15,29.34) 37.24,27.46 v1(37.29,27.45) 38.41,25.5 v1(38.43,25.49) v1(39.55,23.55) 40.13,22.54 40.05,22.26 v1(40.56,21.38) 41.35,20.01 41.63,19.94 v1(41.8,19.66) 41.8,19.66 v1(42.92,17.71) 43.09,17.43 43.01,17.13 43.74,15.85 v1(44.05,15.77)